# Altium PCB Carrier-Board-Apalis.PcbDoc (part 1 of 5) (continued)
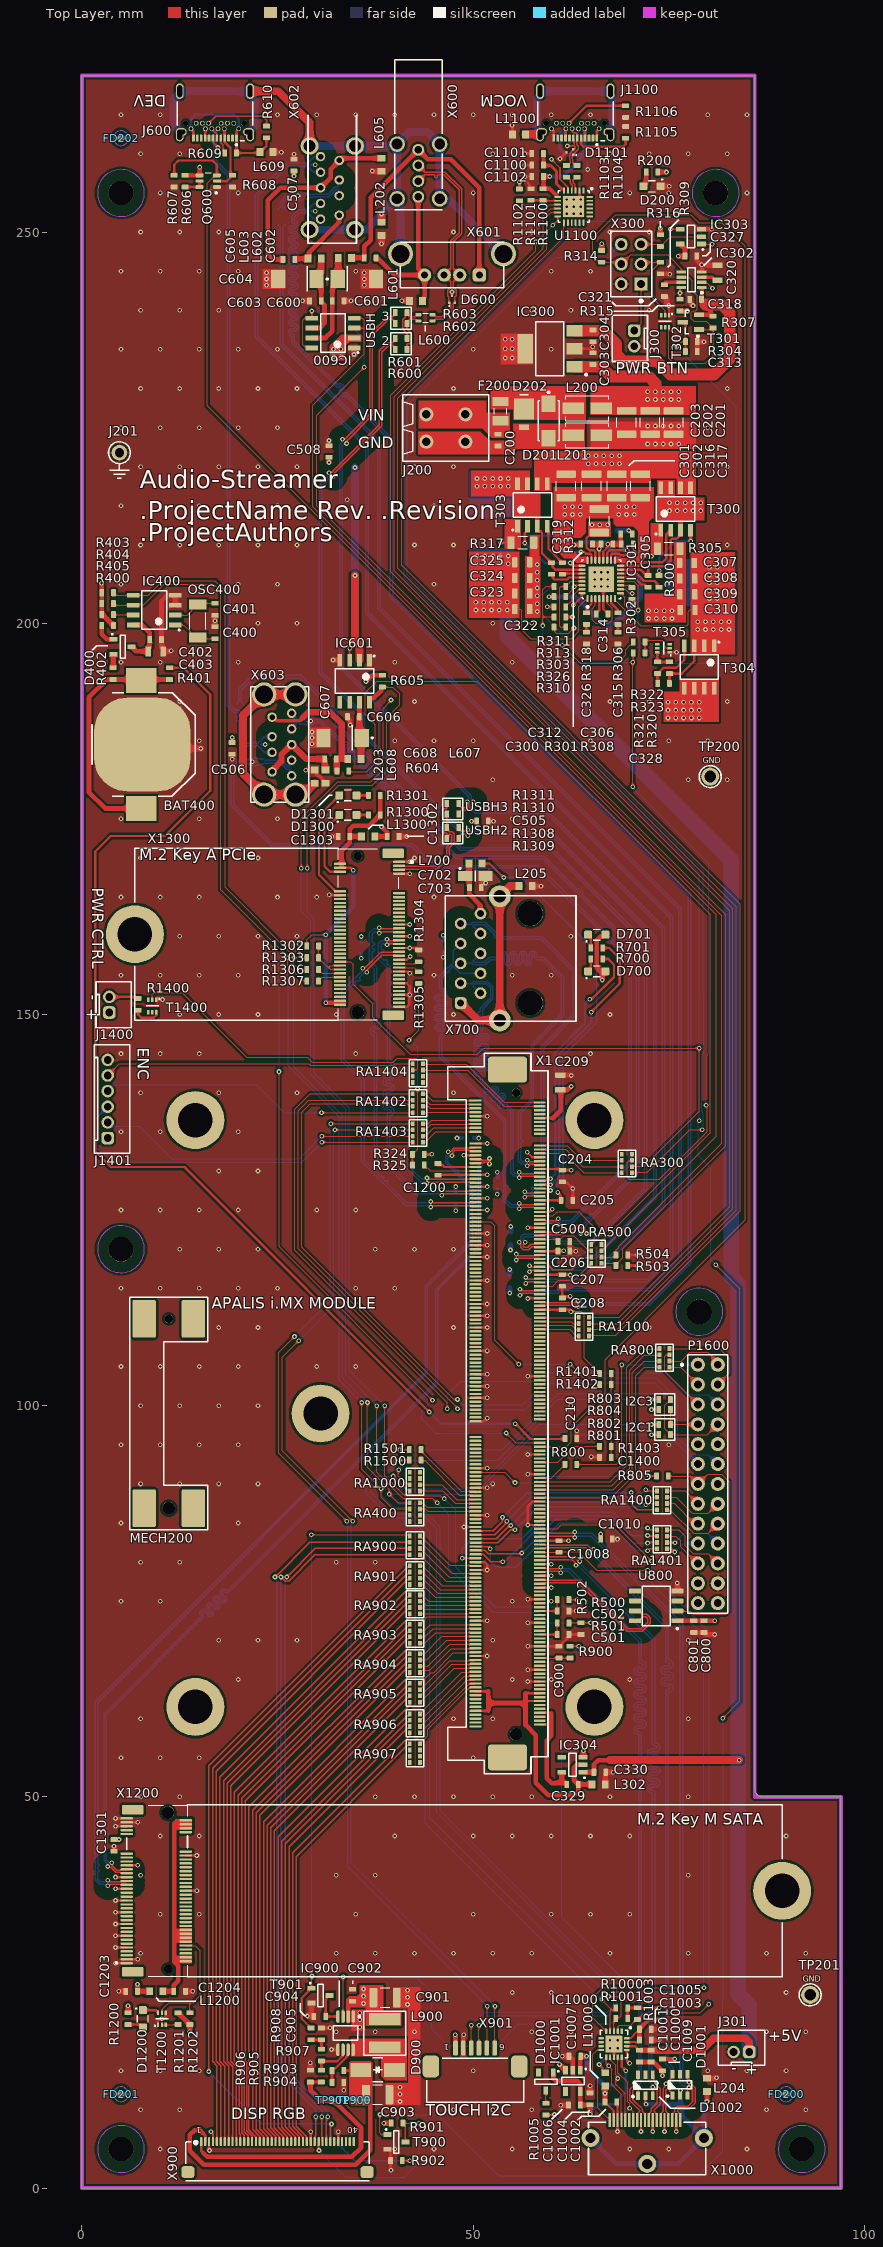
[diagram p0: Top Layer view]
## Components (designator, comment, footprint, x,y, rotation, side; value= is the part's Value field where it differs from the comment)
BAT400 "Keystone-3000" T_Keystone_3000 7.578,184.5 r90 top
C200 "100nF" SMD0603CAP 53.2,223.4 r90 top
C201 "10uF" SMD1210CAP 75.615,225.65 r90 top
C202 "10uF" SMD1210CAP 72.615,225.65 r90 top
C203 "10uF" SMD1210CAP 69.615,225.65 r90 top
C204 "4.7uF" SMD0603CAP 61.4,129.35 r270 top
C205 "4.7uF" SMD0603CAP 62,126.25 r0 top
C206 "4.7uF" SMD0603CAP 61.6,119.75 r0 top
C207 "4.7uF" SMD0603CAP 61.4,116 r270 top
C208 "4.7uF" SMD0603CAP 61.4,113 r90 top
C209 "22uF" SMD0805CAP 61.136,141.3 r90 top
C210 "100nF" SMD0603CAP 62.5,95.8 r180 top
C300 "10uF" SMD0603CAP 64.5,210.1 r0 top
C301 "10uF" SMD1210CAP 61.879,217.55 r90 top
C302 "10uF" SMD1210CAP 65.129,217.55 r90 top
C303 "100nF" SMD0603CAP 65.3,233.832 r270 top
C304 "10uF" SMD0603CAP 65.3,236.732 r90 top
C305 "100nF" SMD0603CAP 72.374,205.35 r270 top
C306 "1uF" SMD0603CAP 69.6,211.4 r180 top
C307 "47uF" SMD0805CAP 77.33,207.7 r0 top
C308 "47uF" SMD0805CAP 77.355,205.7 r0 top
C309 "47uF" SMD0805CAP 77.379,203.7 r0 top
C310 "47uF" SMD0805CAP 77.41,201.7 r0 top
C311 "10uF" SMD0603CAP 68.379,211.1 r270 bottom
C312 "10uF" SMD1210CAP 66.129,213.1 r270 top
C313 "1uF" SMD0603CAP 77.885,234.735 r180 top
C314 "1nF" SMD0603CAP 66.5,201.2 r180 top
C315 "470pF" SMD0603CAP 68.5,198.1 r90 top
C316 "10uF" SMD1210CAP 68.379,217.55 r90 top
C317 "10uF" SMD1210CAP 71.379,217.55 r90 top
C318 "100nF" SMD0603CAP 78.435,241.4 r0 top
C319 "100nF" SMD0603CAP 60,207 r270 top
C320 "330nF" SMD0805CAP 81.235,244.8 r270 top
C321 "470nF" SMD0603CAP 74.435,242.5 r270 top
C322 "47uF" SMD0805CAP 56.279,201.8 r180 top
C323 "47uF" SMD0805CAP 56.279,203.8 r180 top
C324 "47uF" SMD0805CAP 56.279,205.8 r180 top
C325 "47uF" SMD0805CAP 56.279,207.8 r180 top
C326 "680pF" SMD0603CAP 64.5,198.1 r90 top
C327 "100nF" SMD0603CAP 77.835,246.91 r0 top
C328 "10nF" SMD0603CAP 74.339,192.315 r0 top
C329 "2.2uF" SMD0603CAP 62.7,51.6 r180 top
C330 "2.2uF" SMD0603CAP 66.2,53.15 r180 top
C400 "27pF" SMD0603CAP 17.02,198.786 r90 top
C401 "27pF" SMD0603CAP 17.02,201.786 r270 top
C402 "100nF" SMD0603CAP 9.425,197.908 r180 top
C403 "22uF" SMD0805CAP 9.425,196.408 r0 top
C500 "1nF" SMD0603CAP 61.6,121 r180 top
C501 "100pF" SMD0603CAP 61.5,70.75 r180 top
C502 "100pF" SMD0603CAP 61.5,73.75 r180 top
C503 "10nF" SMD0603CAP 54.7,115.9 r90 bottom
C504 "10nF" SMD0603CAP 54.771,121.4 r90 bottom
C505 "10nF" SMD0603CAP 51.2,174.7 r180 top
C506 "10nF" SMD0603CAP 19.2,184 r90 top
C507 "10nF" SMD0603CAP 27.1,258.55 r270 top
C508 "10nF" SMD0603CAP 31.574,221.95 r270 top
C600 "100nF" SMD0603CAP 32.75,241.2 r180 top
C601 "100uF" CAPMP6032X280N 35.15,244 r0 top
C602 "1nF" SMD0603CAP 36.85,246.7 r180 top
C603 "100nF" SMD0603CAP 29.85,241.2 r0 top
C604 "100uF" CAPMP6032X280N 27.55,244 r180 top
C605 "1nF" SMD0603CAP 26.45,246.5 r0 top
C606 "100nF" SMD0603CAP 34.7,188.05 r0 top
C607 "100uF" CAPMP6032X280N 33.321,185.35 r180 top
C608 "1nF" SMD0603CAP 31.771,182.65 r0 top
C700 "10nF" SMD0603CAP 53.1,128.42 r270 bottom
C701 "10nF" SMD0603CAP 46.2,158.725 r90 bottom
C702 "47uF" T_CAPMP3216X180N 50.293,167.7 r0 top
C703 "100nF" SMD0603CAP 50.293,166.2 r180 top
C800 "1nF" SMD0603CAP 79.5,71.75 r270 top
C801 "100nF" SMD0603CAP 78.2,71.75 r270 top
C900 "1nF" SMD0603CAP 61,68.5 r270 top
C901 "10uF" SMD1210CAP 38.75,24.355 r180 top
C902 "100nF" SMD0603CAP 34.6,24.647 r90 top
C903 "10uF" SMD1210CAP 37.8,11.955 r180 top
C904 "100nF 16V" SMD0603CAP 30.4,21.93 r0 top value=100nF
C905 "100nF 16V" SMD0603CAP 30.6,19.705 r270 top value=100nF
C1000 "10uF" SMD0603CAP 72.747,16.861 r90 top
C1001 "100nF" SMD0603CAP 71.247,16.861 r270 top
C1002 "100nF" SMD0603CAP 67.6,10.982 r180 top
C1003 "100nF" SMD0603CAP 72.01,18.925 r180 top
C1004 "100nF" SMD0603CAP 64.95,11.413 r270 top
C1005 "100nF" SMD0603CAP 72.011,20.3 r180 top
C1006 "2.2uF" SMD0603CAP 62.95,10.605 r0 top
C1007 "2.2uF" SMD0603CAP 63,16.851 r0 top
C1008 "1nF" SMD0603CAP 61,82 r270 top
C1009 "10nF" SMD0603CAP 74.2,15.75 r90 top
C1010 "10nF" SMD0603CAP 67.05,82.95 r180 top
C1100 "2.2uF" SMD0603CAP 58.249,258.553 r0 top
C1101 "100nF" SMD0603CAP 58.249,260.026 r0 top
C1102 "2.2uF" SMD0603CAP 58.249,257.098 r0 top
C1200 "1nF" SMD0603CAP 45.5,130.2 r90 top
C1201 "10nF" SMD0603CAP 47.765,126.6 r90 bottom
C1202 "10nF" SMD0603CAP 35.7,158.57 r90 bottom
C1203 "10uF" SMD0603CAP 6.358,25.15 r0 top
C1204 "10uF" SMD0603CAP 12.5,25.15 r180 top
C1300 "10nF" SMD0603CAP 49.338,134.2 r180 bottom
C1301 "10nF" SMD0603CAP 4.1,43.8 r90 top
C1302 "10uF" SMD0603CAP 39.775,172.75 r180 top
C1303 "10uF" SMD0603CAP 33.5,172.75 r0 top
C1400 "100nF" SMD0603CAP 66.9,93.4 r0 top
D200 "green" LED 72.86,255.862 r0 top
D201 "D-Littelfuse-SMAJ30CA-Schottky" T_LITTLEFUSE_SMAJ30CA 59.65,225.868 r270 top
D202 "SS3P3" T_VISHAY_SS3P3 56.5,226.6 r270 top
D400 "BAT54C" SOT95P230X110-3N 5.2,197 r0 top
D600 "TPD2EUSB30DRTR" T_TI_TPD2EUSB30DRTR 47.3,241.4 r90 top
D601 "TPD2EUSB30DRTR" T_TI_TPD2EUSB30DRTR 28.9,258.6 r0 bottom
D602 "TPD2EUSB30DRTR" T_TI_TPD2EUSB30DRTR 28.9,252.65 r0 bottom
D603 "TPD2EUSB30DRTR" T_TI_TPD2EUSB30DRTR 28.543,254.62 r180 bottom
D604 "TPD2EUSB30DRTR" T_TI_TPD2EUSB30DRTR 22.5,184.5 r0 bottom
D605 "TPD2EUSB30DRTR" T_TI_TPD2EUSB30DRTR 22.7,182.3 r180 bottom
D606 "TPD2EUSB30DRTR" T_TI_TPD2EUSB30DRTR 28.3,187.5 r0 bottom
D700 "green" LED 65.8,155.5 r180 top
D701 "green" LED 65.8,160.2 r180 top
D900 "SS14" T_DO-214-AC 37.8,15.105 r180 top
D1000 "BAT54C" SOT95P230X110-3N 59.3,13.615 r270 top
D1001 "RCLAMP0504S" T_SOT95P285X90-6N 76.429,13.2 r90 top
D1002 "RCLAMP0504S" T_SOT95P285X90-6N 72.01,13.15 r90 top
D1100 "TPD2EUSB30DRTR" T_TI_TPD2EUSB30DRTR 64.6,259.4 r270 bottom
D1101 "TPD2EUSB30DRTR" T_TI_TPD2EUSB30DRTR 62.364,260.212 r180 top
D1200 "green" LED 7.8,21.65 r90 top
D1300 "green" LED 34,175.5 r180 top
D1301 "green" LED 34,178 r180 top
F200 "7A" T_Littelfuse_0458 53.5,227.1 r90 top
FD200 "Fiducial" FIDUCIAL 90,12 r90 top
FD201 "Fiducial" FIDUCIAL 5,12 r90 top
FD202 "Fiducial" FIDUCIAL 5,262 r90 top
FD203 "Fiducial" FIDUCIAL 5,262 r90 bottom
FD204 "Fiducial" FIDUCIAL 5,12 r90 bottom
FD205 "Fiducial" FIDUCIAL 90,12 r90 bottom
IC300 "L5150BNTR" T_ON_NCV4264-2ST50T3G 59.8,235.082 r180 top
IC301 "TPS51120" QFN50P500X500X100-33N 66.379,205.6 r90 top
IC302 "LTC2954CTS8-2#TRMPBF" T_LINEAR_LTC2954CTS8-2#PBF 77.935,243.9 r90 top
IC303 "NC7SZ126M5X" SOT95P279X142-5N 77.835,249.41 r180 top
IC304 "NCP511SN33T1G" SOT95P279X142-5N 62.7,54.1 r180 top
IC400 "M41T0M6" SOIC127P600X173-8N 9.25,201.678 r180 top
IC600 "TPS2052BD" SOIC127P600X173-8N 32.086,237.095 r180 top
IC601 "TPS2052BD" SOIC127P600X173-8N 34.85,192.6 r270 top
IC900 "PAM2841SR" T_TSOP65P490X110-8N 33.7,19.805 r270 top
IC1000 "HDMI2C1-6C1" QFN18 69,20.05 r270 top
IC1001 "NCP511SN33T1G" SOT95P279X142-5N 62.75,13.701 r270 top
J200 "1861933" 1861933 49.015,226.7 r270 top
J201 "Solder Pin" SOLDER_PIN 4.8,221.8 r270 top net-tie
J300 "B2B-PH-K-S" B2B-PH-K-S 70.59,237.4 r90 top
J301 "B2B-PH-K-S" B2B-PH-K-S 85.3,17.4 r0 top
J600 "UJ31-CH-G1-SMT-TR" UJ31-CH-G1-SMT-TR 19.75,261.995 r180 top
J1100 "UJ31-CH-G1-SMT-TR" UJ31-CH-G1-SMT-TR 65.809,261.995 r180 top
J1400 "B2B-PH-K-S" B2B-PH-K-S 3.5,150.25 r270 top
J1401 "B6B-PHK-S" B6B-PH-K-S 3.3,134.2 r270 top
L200 "36R@100MHz" T_Laird_35F0121-0SR-10 64.6,227.5 r0 top
L201 "36R@100MHz" T_Laird_35F0121-0SR-10 64.6,224 r0 top
L202 "33R@100MHz" INDC1608X95N 38.3,250.4 r90 top
L203 "33R@100MHz" INDC1608X95N 29.75,180.4 r270 top
L204 "33R@100MHz" INDC1608X95N 79.9,13.2 r270 top
L205 "33R@100MHz" INDC1608X95N 56.714,166.4 r180 top
L300 "4.7uH" T_INDM110100 77.115,209.775 r0 bottom
L301 "8.2uH" T_INDM120120X80N 52.429,210.1 r0 bottom
L302 "220R@100MHz" INDC1608X95N 66.04,51.6 r0 top
L600 "90R@100MHz" T_Murata_DLW21SN900SQ2 43.9,239.04 r180 top
L601 "220R@100MHz" INDC1608X95N 42.7,241.2 r0 top
L602 "220R@100MHz" INDC1608X95N 33.61,246.7 r0 top
L603 "220R@100MHz" INDC1608X95N 29.75,246.6 r180 top
L604 "90R@100MHz" T_Murata_DLW21SN900SQ2 25.5,251.9 r90 bottom
L605 "220R@100MHz" INDC1608X95N 38.3,258.6 r90 top
L606 "90R@100MHz" T_Murata_DLW21SN900SQ2 20.2,188.7 r270 bottom
L607 "220R@100MHz" INDC1608X95N 34.821,182.65 r180 top
L608 "220R@100MHz" INDC1608X95N 31.15,180.4 r90 top
L609 "220R@100MHz" INDC1608X95N 23.6,260.243 r180 top
L700 "220R@100MHz" INDC1608X95N 50.3,169.278 r180 top
L900 "22uH" T_INDM5050 38.7,19.805 r270 top
L1000 "120R@100MHz" INDC1608X95N 66.88,13.9 r270 top
L1100 "220R@100MHz" INDC1608X95N 55.859,262.445 r0 top
L1200 "33R@100MHz" INDC1608X95N 9.5,25.15 r0 top
L1300 "33R@100MHz" INDC1608X95N 36.58,172.75 r180 top
MECH200 "Mini-PCIe Latch" T_Molex_48099-5701 11.1,99 r90 top
OSC400 "CC4V-T1A" T_MC_CC4V-T1A 14.82,200.286 r270 top value=32.768KHz
P1600 "TSW-113-6-L-D" HEADER_2x13P_VERTICAL 80,90 r90 top
Q600 "SQ1539EH-T1_GE3" SOT-363-6 16.15,256.5 r90 top
R200 "560R" SMD0603RES 72.86,257.662 r180 top
R300 "4.7R" SMD0603RES 73.774,205.35 r90 top
R301 "4.7R" SMD0603RES 67.1,210.1 r180 top
R302 "100K" SMD0603RES 70.3,203.81 r270 top value=100KR
R303 "0R" SMD0603RES 61.1,202.1 r0 top
R304 "10K" SMD0603RES 77.885,235.985 r180 top value=10KR
R305 "12mR" SMD1206RES 75,209.54 r0 top
R306 "24K" SMD0603RES 68.5,200.6 r90 top value=24KR
R307 "100K" SMD0603RES 80.685,238.484 r90 top value=100KR
R308 "3.3K" SMD0603RES 69.7,210.1 r180 top value=3.3KR
R309 "100K" SMD0603RES 73.935,245.4 r90 top value=100KR
R310 "0R" SMD0603RES 61.1,199.5 r0 top
R311 "0R" SMD0603RES 61.1,204.7 r0 top
R312 "4.7R" SMD0603RES 61.4,207 r90 top
R313 "100K" SMD0603RES 61.1,203.4 r180 top value=100KR
R314 "10K" SMD0603RES 66.435,246.9 r270 top value=10KR
R315 "10K" SMD0603RES 76.435,240.65 r90 top value=10KR
R316 "100K" SMD0603RES 73.935,248.9 r90 top value=100KR
R317 "15mR" SMD1206RES 56.3,210.3 r0 top
R318 "24K" SMD0603RES 64.5,200.6 r90 top value=24KR
R319 "3.6K" SMD0603RES 63.879,211.1 r270 bottom value=3.6KR
R320 "100K" SMD0603RES 75.089,194.315 r90 top value=100KR
R321 "100K" SMD0603RES 73.589,194.315 r90 top value=100KR
R322 "0R" SMD0603RES 71.221,197.61 r180 top
R323 "0R" SMD0603RES 71.221,196.21 r0 top
R324 "100K" SMD0603RES 43,132.121 r0 top value=100KR
R325 "22R" SMD0603RES 43,130.75 r180 top
R326 "100K" SMD0603RES 61.1,200.8 r180 top value=100KR
R400 "470R" SMD0603RES 3.3,199.7 r0 top
R401 "10R" SMD0603RES 11.2,193.55 r90 top
R402 "10R" SMD0603RES 4,193.565 r90 top
R403 "1.8K" SMD0603RES 3.3,203.9 r180 top value=1.8KR
R404 "1.8K" SMD0603RES 3.3,202.5 r180 top value=1.8KR
R405 "100K" SMD0603RES 3.3,201.1 r180 top value=100KR
R500 "22R" SMD0603RES 61.5,75.2 r0 top
R501 "22R" SMD0603RES 61.5,72.2 r0 top
R502 "100K" SMD0603RES 63.8,71.5 r90 top value=100KR
R503 "100K" SMD0603RES 69,117.9 r180 top value=100KR
R504 "100K" SMD0603RES 69,119.25 r180 top value=100KR
R600 "0R" SMD0603RES 40.8,235 r0 top
R601 "0R" SMD0603RES 40.8,236.4 r0 top
R602 "0R" SMD0603RES 40.8,238.3 r0 top
R603 "0R" SMD0603RES 40.8,239.7 r0 top
R604 "0R" SMD0603RES 33.35,181.1 r180 top
R605 "100K" SMD0603RES 38.4,192.6 r90 top value=100KR
R606 "10kΩ" SMD0603RES 13.2,256.5 r90 top
R607 "10kΩ" SMD0603RES 11.8,256.5 r90 top
R608 "10kΩ" SMD0603RES 19.25,256.5 r90 top
R609 "5.11kΩ" SMD0603RES 19,260.1 r180 top
R610 "5.11kΩ" SMD0603RES 23.6,262.795 r90 top
R700 "560R" SMD0603RES 65.8,157.1 r180 top
R701 "560R" SMD0603RES 65.8,158.5 r180 top
R800 "22R" SMD0603RES 62.5,92.5 r0 top
R801 "0Ω" SMD0603RES 74.485,96.3 r180 top
R802 "0Ω" SMD0603RES 74.485,97.6 r180 top
R803 "0Ω" SMD0603RES 74.47,100.8 r180 top
R804 "0Ω" SMD0603RES 74.47,99.5 r180 top
R805 "DNP" SMD0603RES 74.2,91 r180 top
R900 "22R" SMD0603RES 62.4,68.5 r90 top
R901 "10K" SMD0603RES 40.3,8.3 r180 top
R902 "100K" SMD0603RES 40.2,3.5 r0 top value=100KR
R903 "910K" SMD0603RES 32.725,15.005 r0 top value=910KR
R904 "59K" SMD0603RES 32.725,13.505 r180 top value=49KR
R905 "5K" SMD0603RES 30.6,14.305 r270 top
R906 "3.3R" SMD0603RES 29.2,14.305 r270 top
R907 "90K" SMD0603RES 30.6,17.005 r270 top
R908 "10K" SMD0603RES 29.3,19.705 r270 top
R1000 "10K" SMD0603RES 68.999,23.045 r0 top value=10KR
R1001 "10K" SMD0603RES 68.999,21.695 r0 top value=10KR
R1002 "1.8K" SMD0603RES 68.3,13.9 r270 bottom value=1.8KR
R1003 "470K" SMD0603RES 71,22.305 r90 top value=470KR
R1004 "1.8K" SMD0603RES 66.95,13.9 r270 bottom value=1.8KR
R1005 "24K" SMD0603RES 59.3,10.093 r90 top value=24KR
R1100 "24kΩ" SMD0603RES 58.918,254.8 r90 top
R1101 "47kΩ" SMD0603RES 57.418,254.8 r270 top
R1102 "10kΩ" SMD0603RES 55.918,254.75 r90 top
R1103 "22R" SMD0603RES 61.924,257.76 r90 top
R1104 "22R" SMD0603RES 63.283,257.76 r90 top
R1105 "5.11kΩ" SMD0603RES 69.5,262.745 r270 top
R1106 "5.11kΩ" SMD0603RES 69.5,265.4 r90 top
R1200 "560R" SMD0603RES 5.895,21.65 r270 top
R1201 "470K" SMD0603RES 12.3,21.65 r270 top value=470KR
R1202 "100K" SMD0603RES 13.8,21.65 r270 top value=100KR
R1300 "560R" SMD0603RES 37.385,175.5 r180 top
R1301 "560R" SMD0603RES 37.385,178 r180 top
R1302 "47K" SMD0603RES 29.5,158.75 r180 top value=47KR
R1303 "0R" SMD0603RES 29.5,157.25 r180 top
R1304 "0R" SMD0603RES 43.05,157.5 r270 top
R1305 "0R" SMD0603RES 43.05,154.7 r90 top
R1306 "0R" SMD0603RES 29.5,155.75 r0 top
R1307 "0R" SMD0603RES 29.5,154.25 r0 top
R1308 "0R" SMD0603RES 47.4,173.9 r180 top
R1309 "0R" SMD0603RES 47.4,172.5 r180 top
R1310 "0R" SMD0603RES 47.4,175.6 r180 top
R1311 "0R" SMD0603RES 47.4,176.95 r180 top
R1400 "220Ω" SMD0603RES 7.192,151.3 r90 top
R1401 "100K" SMD0603RES 66.9,104.1 r0 top value=100KR
R1402 "0R" SMD0603RES 66.9,102.7 r180 top
R1403 "0R" SMD0603RES 66.9,94.8 r0 top
R1500 "22R" SMD0603RES 42.6,93.04 r180 top
R1501 "22R" SMD0603RES 42.6,94.37 r180 top
RA300 "22R" T_Resistor_Array_X4 69,132.151 r0 top
RA400 "22R" T_Resistor_Array_X4 43.2,85.2 r180 top
RA500 "22R" T_Resistor_Array_X4 65.1,120.6 r0 top
RA800 "22R" T_Resistor_Array_X4 73.815,107.3 r0 top
RA900 "22R" T_Resistor_Array_X4 43.2,80.95 r180 top
RA901 "22R" T_Resistor_Array_X4 43.2,77.15 r180 top
RA902 "22R" T_Resistor_Array_X4 43.2,73.4 r180 top
RA903 "22R" T_Resistor_Array_X4 43.2,69.65 r180 top
RA904 "22R" T_Resistor_Array_X4 43.2,65.9 r180 top
RA905 "22R" T_Resistor_Array_X4 43.2,62.109 r180 top
RA906 "22R" T_Resistor_Array_X4 43.2,58.2 r180 top
RA907 "22R" T_Resistor_Array_X4 43.2,54.4 r180 top
RA1000 "22R" T_Resistor_Array_X4 43.2,89.1 r180 top
RA1100 "22R" T_Resistor_Array_X4 63.5,111.3 r0 top
RA1400 "22R" T_Resistor_Array_X4 73.5,89.1 r0 top
RA1401 "22R" T_Resistor_Array_X4 73.5,84.121 r0 top
RA1402 "22R" T_Resistor_Array_X4 43.58,137.45 r180 top
RA1403 "22R" T_Resistor_Array_X4 43.58,133.65 r180 top
RA1404 "22R" T_Resistor_Array_X4 42.28,143.7 r0 top
T300 "FDS6910DKR" SOIC127P600X173-8N 75.879,214.6 r90 top
T301 "IRLML6401PbF" SOT95P237X112-3N 77.835,238.484 r180 top
T302 "T-Vishay-SI-1024X-N" SOTFL50P160X60-6N 74.535,238.6 r270 top
T303 "FDS6910DKR" SOIC127P600X173-8N 57.579,215.1 r90 top
T304 "DMP2022LSS-13" SOIC127P600X173-8N 78.9,194.4 r270 top
T305 "T-Vishay-SI-1024X-N" SOTFL50P160X60-6N 74.339,196.815 r180 top
T900 "SI2312CDS" T_SOT95P230X110-3N 40.2,5.9 r0 top
T901 "SI2312CDS" T_SOT95P230X110-3N 30.5,24.605 r0 top
T1200 "T-Vishay-SI-1024X-N" SOTFL50P160X60-6N 10.23,21.65 r90 top
T1400 "T-Vishay-SI-1024X-N" SOTFL50P160X60-6N 9,151.1 r270 top
TP200 "5011" "T_TP-THT - EYE" 80.3,180.4 r0 top
TP201 "5011" "T_TP-THT - EYE" 93.075,24.7 r0 top
TP900 "Testpoint" TP 34.8,11.205 r180 top
TP901 "Testpoint" TP 32.05,11.205 r180 top
U800 "MAX9110" SOIC8 73.4,74.405 r180 top
U1100 "CP2105" QFN24 62.859,253.25 r270 top
X1 "CON-JAE-MM70-314-310B1-314-0.5mm" T_JAE_MM70-314-310B1 54.4,99 r270 top
X300 "TSW-103-01-G-D" T_Samtec_SSW-103-01-G-D 71.475,243.36 r90 top
X600 "CON-Fci-73725-0110BLF" T_FCI_73725-0110BLF 43,272 r180 top
X601 "CON-TE-1734366-3" 1734366-3 47.3,245.8 r180 top
X602 "GSB4116341HR" GSB4116341HR 32,255.65 r270 top
X603 "GSB412137CHR" GSB412137CHR 25.3,184.5 r90 top
X700 "5-2301995-1" 5-2301995-4 57.3,157.167 r90 top
X900 "XF2M-4015-1A" T_Omron_XF2M-4015-1A-MIRROR 25,4 r180 top
X901 "52207-0633" T_MOLEX_52207-0633 50.25,17.9 r180 top
X1000 "0476591001" 0476591001 72.25,6.4 r0 top
X1200 "1-2199119-5" 1-2199119-5-Key-M-2280 9.5,38 r90 top
X1300 "2199119-8" 2199119-8-KEY-A-2230 36.65,160.25 r270 top

## Footprints (in the part's own frame and the unit in brackets; to place one, negate y for a bottom-side part, rotate by r counter-clockwise, add the part's x,y. Pads: shape width x height; smd on the part's side, far side on the other; paste and mask are expansions set on the pad)
1-2199119-5-Key-M-2280 [mm] "M.2 M Key"
  rrect25% 1.2x2.75 smd: 0(-10.35,3) 0(10.35,3)
  rrect50% 0.3x1.55 smd: 1(-9.25,3.775) 2(-9,-3.775) 3(-8.75,3.775) 4(-8.5,-3.775) 5(-8.25,3.775) 6(-8,-3.775) 7(-7.75,3.775) 8(-7.5,-3.775) 9(-7.25,3.775) 10(-7,-3.775) 11(-6.75,3.775) 12(-6.5,-3.775) 13(-6.25,3.775) 14(-6,-3.775) 15(-5.75,3.775) 16(-5.5,-3.775) 17(-5.25,3.775) 18(-5,-3.775) 19(-4.75,3.775) 20(-4.5,-3.775) 21(-4.25,3.775) 22(-4,-3.775) 23(-3.75,3.775) 24(-3.5,-3.775) 25(-3.25,3.775) 26(-3,-3.775) 27(-2.75,3.775) 28(-2.5,-3.775) 29(-2.25,3.775) 30(-2,-3.775) 31(-1.75,3.775) 32(-1.5,-3.775) 33(-1.25,3.775) 34(-1,-3.775) 35(-0.75,3.775) 36(-0.5,-3.775) 37(-0.25,3.775) 38(0,-3.775) 39(0.25,3.775) 40(0.5,-3.775) 41(0.75,3.775) 42(1,-3.775) 43(1.25,3.775) 44(1.5,-3.775) 45(1.75,3.775) 46(2,-3.775) 47(2.25,3.775) 48(2.5,-3.775) 49(2.75,3.775) 50(3,-3.775) 51(3.25,3.775) 52(3.5,-3.775) 53(3.75,3.775) 54(4,-3.775) 55(4.25,3.775) 56(4.5,-3.775) 57(4.75,3.775) 58(5,-3.775) 67(7.25,3.775) 68(7.5,-3.775) 69(7.75,3.775) 70(8,-3.775) 71(8.25,3.775) 72(8.5,-3.775) 73(8.75,3.775) 74(9,-3.775) 75(9.25,3.775)
  round 1.1 hole 1.1 unplated: ""(-10,-1.5)
  round 7.4 / inner round 0 / far side round 0 hole 4.4 unplated: ""(0,-80)
  round 1.6 hole 1.6 unplated: ""(10,-1.5)
  silkscreen extent -11,-80 11,5.17, body extent -10.95,-83 10.95,4.35, height 3.09
5-2301995-4 [mm] "Ethernet Connector vertiacal"
  rrect50% 1.5x1.5 hole 0.9: P1(-5.715,8.89)
  round 1.5 hole 0.9: P2(-4.445,6.35) P3(-3.175,8.89) P4(-1.905,6.35) P5(-0.635,8.89) P6(0.635,6.35) P7(1.905,8.89) P8(3.175,6.35) P9(4.445,8.89) P10(5.715,6.35)
  round 2.8 hole 1.6: S1(-7.925,3.89) S2(7.925,3.89)
  round 3.2 hole 3.2 unplated: ""(-5.715,0) ""(5.715,0)
  silkscreen extent -8.03,-5.85 8.03,10.85, body extent -8.03,-5.85 8.03,11.1, height 17
1734366-3 [mm] "USB Header Vertical"
  rrect50% 1.7x1.7 hole 0.9: 1(-3.5,1.3)
  round 1.7 hole 0.9: 2(-1,1.3) 3(1,1.3) 4(3.5,1.3)
  round 3.2 hole 2.3: S1(-6.57,-1.41) S2(6.57,-1.41)
  silkscreen extent -6.6,-2.9 6.6,2.9, body extent -7.9,-3.56 7.9,3.56, height 15.03
1861933 [mm] "Phoenix Contacts 2 Pol - 3.5mm"
  round 1.8 hole 1.1: 1(0,0) 1(0,-5) 2(3.5,0) 2(3.5,-5)
  silkscreen extent -2.5,-8 6,3, body extent -2.5,-8 6,3, height 8
2199119-8-KEY-A-2230 [mm] "M-2 Key A"
  rrect25% 1.2x2.75 smd: 0(-10.35,3.125) 0(10.35,3.125)
  rrect50% 0.3x1.55 smd: 1(-9.25,3.9) 2(-9,-3.65) 3(-8.75,3.9) 4(-8.5,-3.65) 5(-8.25,3.9) 6(-8,-3.65) 7(-7.75,3.9) 16(-5.5,-3.65) 17(-5.25,3.9) 18(-5,-3.65) 19(-4.75,3.9) 20(-4.5,-3.65) 21(-4.25,3.9) 22(-4,-3.65) 23(-3.75,3.9) 24(-3.5,-3.65) 25(-3.25,3.9) 26(-3,-3.65) 27(-2.75,3.9) 28(-2.5,-3.65) 29(-2.25,3.9) 30(-2,-3.65) 31(-1.75,3.9) 32(-1.5,-3.65) 33(-1.25,3.9) 34(-1,-3.65) 35(-0.75,3.9) 36(-0.5,-3.65) 37(-0.25,3.9) 38(0,-3.65) 39(0.25,3.9) 40(0.5,-3.65) 41(0.75,3.9) 42(1,-3.65) 43(1.25,3.9) 44(1.5,-3.65) 45(1.75,3.9) 46(2,-3.65) 47(2.25,3.9) 48(2.5,-3.65) 49(2.75,3.9) 50(3,-3.65) 51(3.25,3.9) 52(3.5,-3.65) 53(3.75,3.9) 54(4,-3.65) 55(4.25,3.9) 56(4.5,-3.65) 57(4.75,3.9) 58(5,-3.65) 59(5.25,3.9) 60(5.5,-3.65) 61(5.75,3.9) 62(6,-3.65) 63(6.25,3.9) 64(6.5,-3.65) 65(6.75,3.9) 66(7,-3.65) 67(7.25,3.9) 68(7.5,-3.65) 69(7.75,3.9) 70(8,-3.65) 71(8.25,3.9) 72(8.5,-3.65) 73(8.75,3.9) 74(9,-3.65) 75(9.25,3.9)
  round 1.1 hole 1.1 unplated: ""(-10,-1.375)
  round 7.4 / inner round 0 / far side round 0 hole 4.4 unplated: ""(0,-29.875)
  round 1.6 hole 1.6 unplated: ""(10,-1.375)
  silkscreen extent -11,-29.88 11,5.65, body extent -10.95,-32.87 10.95,4.5, height 3.09
0476591001 [mm] "HDMI Vertical"
  rrect50% 0.3x1.8 smd: 1(4.21,2.3) 2(3.71,2.3) 3(3.21,2.3) 4(2.71,2.3) 5(2.21,2.3) 6(1.71,2.3) 7(1.21,2.3) 8(0.71,2.3) 9(0.21,2.3) 10(-0.29,2.3) 11(-0.79,2.3) 12(-1.29,2.3) 13(-1.79,2.3) 14(-2.29,2.3) 15(-2.79,2.3) 16(-3.29,2.3) 17(-3.79,2.3) 18(-4.29,2.3) 19(-4.79,2.3)
  round 2.3 hole 1.3: S1(-7.25,0) S2(0,-3.3) S3(7.25,0)
  silkscreen extent -7.5,-4.7 7.5,2, body extent -8.75,-4.73 8.75,2.82, height 9.51
B2B-PH-K-S [mm] "JST PH plug"
  rrect50% 1.6x1.6 hole 1: 1(0,0)
  round 1.6 hole 1: 2(-2,0)
  silkscreen extent -3.95,-1.7 1.95,2.8, body extent -3.95,-1.7 1.95,2.8, height 6
B6B-PH-K-S [mm] "JST PH plug"
  rrect50% 1.6x1.6 hole 1: 1(0,0)
  round 1.6 hole 1: 2(-2,0) 3(-4,0) 4(-6,0) 5(-8,0) 6(-10,0)
  silkscreen extent -11.95,-1.7 1.95,2.8, body extent -11.95,-1.7 1.95,2.8, height 6
CAPMP6032X280N [mm] "Cap Polarized 6032"
  rect 1.8x2.3 smd: 1(-2.45,0) 2(2.45,0)
  silkscreen extent -3.86,-1.6 -1.25,1.6, body extent -3.15,-1.75 3.15,1.75, height 2.8
FIDUCIAL [mm]
  round 1 smd paste-1 mask+0.5: ""(0,0)
  Keep-Out Layer circle w0.1: c0,0 r0.95
GSB412137CHR [mm] "USB 3.1 vertical"
  round 1.208 hole 0.7: 1(3.5,1) 2(1,1) 3(-1,1) 4(-3.5,1) 5(-4,-1.5) 6(-2,-1.5) 7(0,-1.5) 8(2,-1.5) 9(4,-1.5)
  round 3.1 hole 2.3: S1(-6.4,2) S2(-6.4,-2) S3(6.4,-2) S4(6.4,2)
  silkscreen extent -7.4,-3.7 7.4,3.7, body extent -7.4,-3.7 7.4,3.7, height 14.48
GSB4116341HR [mm] "USB 3.1 side"
  round 1.208 hole 0.7: 1(3.5,0.9) 2(1,0.9) 3(-1,0.9) 4(-3.5,0.9) 5(-4,-1.5) 6(-2,-1.5) 7(0,-1.5) 8(2,-1.5) 9(4,-1.5)
  oval 2.2x2.3 hole 1.5: S1(-5.35,2.9) S2(-5.35,-2.9) S3(5.35,-2.9) S4(5.35,2.9)
  silkscreen extent -9.3,-3.1 7.1,3.1, body extent -17.1,-3.75 7.1,3.75, height 14.6
HEADER_2x13P_VERTICAL [mm] "HEADER 2x13P VERTICAL"
  round 1.8 hole 1: 1(15.24,1.27) 2(15.24,-1.27) 3(12.7,1.27) 4(12.7,-1.27) 5(10.16,1.27) 6(10.16,-1.27) 7(7.62,1.27) 8(7.62,-1.27) 9(5.08,1.27) 10(5.08,-1.27) 11(2.54,1.27) 12(2.54,-1.27) 13(0,1.27) 14(0,-1.27) 15(-2.54,1.27) 16(-2.54,-1.27) 17(-5.08,1.27) 18(-5.08,-1.27) 19(-7.62,1.27) 20(-7.62,-1.27) 21(-10.16,1.27) 22(-10.16,-1.27) 23(-12.7,1.27) 24(-12.7,-1.27) 25(-15.24,1.27) 26(-15.24,-1.27)
  silkscreen extent -16.51,-2.54 16.51,3.42, body extent -16.51,-2.54 16.51,2.54, height 5.21
INDC1608X95N [mm]
  rect 0.87x1 smd: 1(-0.84,0) 2(0.84,0)
  body extent -0.87,-0.48 0.87,0.48, height 0.6
LED [mm]
  rrect25% 1x1 smd: A(-1.1,0) C(1.1,0)
  silkscreen extent -0.45,-0.7 1.35,0.9, body extent -1.15,-0.7 1.15,0.7, height 1.2
QFN18 [mm]
  rrect50% 0.7x0.3 smd: 1(0,0) 2(0,-0.5) 3(0,-1) 4(0,-1.5) 5(0,-2) 10(3.3,-2) 11(3.3,-1.5) 12(3.3,-1) 13(3.3,-0.5) 14(3.3,0)
  rrect50% 0.3x0.7 smd: 6(0.9,-2.65) 7(1.4,-2.65) 8(1.9,-2.65) 9(2.4,-2.65) 15(2.4,0.65) 16(1.9,0.65) 17(1.4,0.65) 18(0.9,0.65)
  rrect10% 2.2x2.2 smd: P(1.65,-1)
  silkscreen extent -0.55,-2.75 3.4,1.2, body extent -0.1,-2.75 3.4,0.75, height 0.55
QFN24 [mm]
  rrect50% 0.8x0.25 smd: 1(-2.05,1.25) 2(-2.05,0.75) 3(-2.05,0.25) 4(-2.05,-0.25) 5(-2.05,-0.75) 6(-2.05,-1.25) 13(2.05,-1.25) 14(2.05,-0.75) 15(2.05,-0.25) 16(2.05,0.25) 17(2.05,0.75) 18(2.05,1.25)
  rrect50% 0.25x0.8 smd: 7(-1.25,-2.05) 8(-0.75,-2.05) 9(-0.25,-2.05) 10(0.25,-2.05) 11(0.75,-2.05) 12(1.25,-2.05) 19(1.25,2.05) 20(0.75,2.05) 21(0.25,2.05) 22(-0.25,2.05) 23(-0.75,2.05) 24(-1.25,2.05)
  rect 2.68x2.68 smd: 25(0,0)
  silkscreen extent -2.4,-2 2,2.4, body extent -2,-2 2,2, height 0.8
QFN50P500X500X100-33N [mm]
  oval 0.9x0.3 smd: 1(-2.45,1.75) 2(-2.45,1.25) 3(-2.45,0.75) 4(-2.45,0.25) 5(-2.45,-0.25) 6(-2.45,-0.75) 7(-2.45,-1.25) 8(-2.45,-1.75) 17(2.45,-1.75) 18(2.45,-1.25) 19(2.45,-0.75) 20(2.45,-0.25) 21(2.45,0.25) 22(2.45,0.75) 23(2.45,1.25) 24(2.45,1.75)
  oval 0.3x0.9 smd: 9(-1.75,-2.45) 10(-1.25,-2.45) 11(-0.75,-2.45) 12(-0.25,-2.45) 13(0.25,-2.45) 14(0.75,-2.45) 15(1.25,-2.45) 16(1.75,-2.45) 25(1.75,2.45) 26(1.25,2.45) 27(0.75,2.45) 28(0.25,2.45) 29(-0.25,2.45) 30(-0.75,2.45) 31(-1.25,2.45) 32(-1.75,2.45)
  rect 3.25x3.25 smd paste-0.595: 33(0,0)
  silkscreen extent -3.62,-2.5 2.5,2.5, body extent -2.58,-2.58 2.58,2.58, height 1
SMD0603CAP [mm]
  rrect25% 0.6x0.9 smd: 1(-0.75,0) 2(0.75,0)
  body extent -0.75,-0.4 0.75,0.4, height 0.45
SMD0603RES [mm]
  rrect25% 0.6x0.9 smd: 1(-0.75,0) 2(0.75,0)
  body extent -0.75,-0.4 0.75,0.4, height 0.45
SMD0805CAP [mm]
  rrect25% 0.7x1.3 smd: 1(-0.95,0) 2(0.95,0)
  body extent -1,-0.6 1,0.6, height 0.9
SMD1206RES [mm]
  rrect25% 0.9x1.6 smd: 1(-1.45,0) 2(1.45,0)
  silkscreen extent -0.6,-0.8 0.6,0.8, body extent -1.6,-0.8 1.6,0.8, height 0.55
SMD1210CAP [mm]
  rrect25% 1x2.5 smd: 1(-1.5,0) 2(1.5,0)
  silkscreen extent -0.6,-1.25 0.6,1.25, body extent -1.6,-1.25 1.6,1.25, height 1.5
SOIC8 [mm] "SOIC-8"
  rrect25% 1.55x0.6 smd: 1(-2.7,1.905) 2(-2.7,0.635) 3(-2.7,-0.635) 4(-2.7,-1.905) 5(2.7,-1.905) 6(2.7,-0.635) 7(2.7,0.635) 8(2.7,1.905)
  silkscreen extent -2.79,-2.54 1.78,3, body extent -3.1,-2.5 3.1,2.5, height 1.76
SOIC127P600X173-8N [mm]
  rect 1.6x0.6 smd: 1(-2.7,1.905) 2(-2.7,0.635) 3(-2.7,-0.635) 4(-2.7,-1.905) 5(2.7,-1.905) 6(2.7,-0.635) 7(2.7,0.635) 8(2.7,1.905)
  silkscreen extent -3.29,-2.45 1.58,2.61, body extent -2,-2.47 2,2.47, height 1.75
SOLDER_PIN [mm] "Solder Pin"
  round 2 hole 1.2: 1(0,0)
  silkscreen extent -1.4,-1.4 1.4,1.4
SOT95P230X110-3N [mm]
  rect 1x0.6 smd: 1(-1.15,0.95) 2(-1.15,-0.95) 3(1.15,0)
  silkscreen extent -1.4,-1.45 0.33,1.67, body extent -0.7,-1.5 0.7,1.5, height 1.12
SOT95P237X112-3N [mm] "SOT23, 3-Leads, Body 3.0x2.6mm (max), Pitch 0.95mm, IPC Medium Density"
  rect 1.3x0.6 smd: 1(-1.05,0.95) 2(-1.05,-0.95) 3(1.05,0)
  silkscreen extent -1.03,-1.5 0.7,1.92, body extent -0.7,-1.52 0.7,1.52, height 1.12
SOT95P279X142-5N [mm]
  rect 1.1x0.6 smd: 1(-1.35,0.95) 2(-1.35,0) 3(-1.35,-0.95) 4(1.35,-0.95) 5(1.35,0.95)
  silkscreen extent -1.61,-1.45 0.48,1.73, body extent -0.9,-1.52 0.9,1.52, height 1.1
SOT-363-6 [mm] "SOT-363-6"
  rrect50% 0.5x1 smd: 1(-0.75,-1.1) 3(0.75,-1.1) 4(0.75,1.1) 6(-0.75,1.1)
  rrect50% 0.4x1 smd: 2(0,-1.1) 5(0,1.1)
  silkscreen extent -1.6,-1.1 1.1,0.4, body extent -1.1,-1.2 1.1,1.2, height 1.1
SOTFL50P160X60-6N [mm]
  rect 0.57x0.3 smd: 1(-0.79,0.5) 2(-0.79,0) 3(-0.79,-0.5) 4(0.79,-0.5) 5(0.79,0) 6(0.79,0.5)
  silkscreen extent -0.99,-0.8 0,0.97, body extent -0.65,-0.85 0.65,0.85, height 0.6
T_CAPMP3216X180N [mm]
  rect 1.8x1.25 smd: 1(-1.3,0) 2(1.3,0)
  silkscreen extent -2,-0.7 0,1.02, body extent -1.6,-0.8 1.6,0.8, height 1.6
T_DO-214-AC [mm] "Schottky Diode"
  rect 2.65x1.75 smd: 1(2.15,0) 2(-2.15,0)
  silkscreen extent -0.64,-1.52 0.64,1.52, body extent -2.74,-1.4 2.74,1.4, height 1.14
T_FCI_73725-0110BLF [mm] "USB Type A Connector Vertical"
  round 1.5 hole 0.95: 1(0,11.49) 2(0,13.49) 3(0,15.49) 4(0,17.49)
  round 2 hole 1.37: S1(2.72,10.76) S2(2.72,17.76) S3(-2.72,17.76) S4(-2.72,10.76)
  silkscreen extent -3.05,0 3.05,19.15, body extent -3.54,-0.76 3.58,18.5, height 14.57
T_INDM5050 [mm] "Shieled Inductor 5mm X 5mm X 4mm"
  rect 1.5x4 smd: 1(-1.8,0) 2(1.8,0)
  silkscreen extent -2.79,-2.67 2.79,2.67, body extent -2.49,-2.5 2.5,2.5, height 4
T_INDM110100 [mm] "Inductor shielded, 11mm x 10mm (Bourns, SRP1038A; Vishay, IHLP4040DZ-8A)"
  rect 4.86x3.8 smd: 1(0,-4.6) 2(0,4.6)
  silkscreen extent -5.52,-5.52 5.52,5.52, body extent -5,-5.2 5,5.2, height 3.75
T_INDM120120X80N [mm]
  rect 5.4x2.9 smd: 1(0,-4.95) 2(0,4.95)
  silkscreen extent -6.2,-6.2 6.2,6.2, body extent -6,-6 6,6, height 6
T_JAE_MM70-314-310B1 [mm] "MXM 3.0 Connector"
  rrect50% 0.3x1.5 smd: 1(-40,-4.1) 2(-39.75,4.1) 3(-39.5,-4.1) 4(-39.25,4.1) 5(-39,-4.1) 6(-38.75,4.1) 7(-38.5,-4.1) 8(-38.25,4.1) 9(-38,-4.1) 10(-37.75,4.1) 11(-37.5,-4.1) 12(-37.25,4.1) 13(-37,-4.1) 14(-36.75,4.1) 15(-36.5,-4.1) 16(-36.25,4.1) 17(-36,-4.1) 18(-35.75,4.1) 23(-34.5,-4.1) 24(-34.25,4.1) 25(-34,-4.1) 26(-33.75,4.1) 27(-33.5,-4.1) 28(-33.25,4.1) 29(-33,-4.1) 30(-32.75,4.1) 31(-32.5,-4.1) 32(-32.25,4.1) 33(-32,-4.1) 34(-31.75,4.1) 35(-31.5,-4.1) 36(-31.25,4.1) 37(-31,-4.1) 38(-30.75,4.1) 39(-30.5,-4.1) 40(-30.25,4.1) 41(-30,-4.1) 42(-29.75,4.1) 43(-29.5,-4.1) 44(-29.25,4.1) 45(-29,-4.1) 46(-28.75,4.1) 47(-28.5,-4.1) 48(-28.25,4.1) 49(-28,-4.1) 50(-27.75,4.1) 51(-27.5,-4.1) 52(-27.25,4.1) 53(-27,-4.1) 54(-26.75,4.1) 55(-26.5,-4.1) 56(-26.25,4.1) 57(-26,-4.1) 58(-25.75,4.1) 59(-25.5,-4.1) 60(-25.25,4.1) 61(-25,-4.1) 62(-24.75,4.1) 63(-24.5,-4.1) 64(-24.25,4.1) 65(-24,-4.1) 66(-23.75,4.1) 67(-23.5,-4.1) 68(-23.25,4.1) 69(-23,-4.1) 70(-22.75,4.1) 71(-22.5,-4.1) 72(-22.25,4.1) 73(-22,-4.1) 74(-21.75,4.1) 75(-21.5,-4.1) 76(-21.25,4.1) 77(-21,-4.1) 78(-20.75,4.1) 79(-20.5,-4.1) 80(-20.25,4.1) 81(-20,-4.1) 82(-19.75,4.1) 83(-19.5,-4.1) 84(-19.25,4.1) 85(-19,-4.1) 86(-18.75,4.1) 87(-18.5,-4.1) 88(-18.25,4.1) 89(-18,-4.1) 90(-17.75,4.1) 91(-17.5,-4.1) 92(-17.25,4.1) 93(-17,-4.1) 94(-16.75,4.1) 95(-16.5,-4.1) 96(-16.25,4.1) 97(-16,-4.1) 98(-15.75,4.1) 99(-15.5,-4.1) 100(-15.25,4.1) 101(-15,-4.1) 102(-14.75,4.1) 103(-14.5,-4.1) 104(-14.25,4.1) 105(-14,-4.1) 106(-13.75,4.1) 107(-13.5,-4.1) 108(-13.25,4.1) 109(-13,-4.1) 110(-12.75,4.1) 111(-12.5,-4.1) 112(-12.25,4.1) 113(-12,-4.1) 114(-11.75,4.1) 115(-11.5,-4.1) 116(-11.25,4.1) 117(-11,-4.1) 118(-10.75,4.1) 119(-10.5,-4.1) 120(-10.25,4.1) 121(-10,-4.1) 122(-9.75,4.1) 123(-9.5,-4.1) 124(-9.25,4.1) 125(-9,-4.1) 126(-8.75,4.1) 127(-8.5,-4.1) 128(-8.25,4.1) 129(-8,-4.1) 130(-7.75,4.1) 131(-7.5,-4.1) 132(-7.25,4.1) 133(-7,-4.1) 134(-6.75,4.1) 135(-6.5,-4.1) 136(-6.25,4.1) 137(-6,-4.1) 138(-5.75,4.1) 139(-5.5,-4.1) 140(-5.25,4.1) 141(-5,-4.1) 142(-4.75,4.1) 143(-4.5,-4.1) 144(-4.25,4.1) 145(-4,-4.1) 146(-3.75,4.1) 147(-3.5,-4.1) 148(-3.25,4.1) 149(-3,-4.1) 150(-2.75,4.1) 151(-2.5,-4.1) 152(-2.25,4.1) 153(-2,-4.1) 154(-1.75,4.1) 155(-1.5,-4.1) 156(-1.25,4.1) 157(-1,-4.1) 158(-0.75,4.1) 159(-0.5,-4.1) 160(-0.25,4.1) 161(0,-4.1) 162(0.25,4.1) 163(0.5,-4.1) 164(0.75,4.1) 165(1,-4.1) 173(3,-4.1) 174(3.25,4.1) 175(3.5,-4.1) 176(3.75,4.1) 177(4,-4.1) 178(4.25,4.1) 179(4.5,-4.1) 180(4.75,4.1) 181(5,-4.1) 182(5.25,4.1) 183(5.5,-4.1) 184(5.75,4.1) 185(6,-4.1) 186(6.25,4.1) 187(6.5,-4.1) 188(6.75,4.1) 189(7,-4.1) 190(7.25,4.1) 191(7.5,-4.1) 192(7.75,4.1) 193(8,-4.1) 194(8.25,4.1) 195(8.5,-4.1) 196(8.75,4.1) 197(9,-4.1) 198(9.25,4.1) 199(9.5,-4.1) 200(9.75,4.1) 201(10,-4.1) 202(10.25,4.1) 203(10.5,-4.1) 204(10.75,4.1) 205(11,-4.1) 206(11.25,4.1) 207(11.5,-4.1) 208(11.75,4.1) 209(12,-4.1) 210(12.25,4.1) 211(12.5,-4.1) 212(12.75,4.1) 213(13,-4.1) 214(13.25,4.1) 215(13.5,-4.1) 216(13.75,4.1) 217(14,-4.1) 218(14.25,4.1) 219(14.5,-4.1) 220(14.75,4.1) 221(15,-4.1) 222(15.25,4.1) 223(15.5,-4.1) 224(15.75,4.1) 225(16,-4.1) 226(16.25,4.1) 227(16.5,-4.1) 228(16.75,4.1) 229(17,-4.1) 230(17.25,4.1) 231(17.5,-4.1) 232(17.75,4.1) 233(18,-4.1) 234(18.25,4.1) 235(18.5,-4.1) 236(18.75,4.1) 237(19,-4.1) 238(19.25,4.1) 239(19.5,-4.1) 240(19.75,4.1) 241(20,-4.1) 242(20.25,4.1) 243(20.5,-4.1) 244(20.75,4.1) 245(21,-4.1) 246(21.25,4.1) 247(21.5,-4.1) 248(21.75,4.1) 249(22,-4.1) 250(22.25,4.1) 251(22.5,-4.1) 252(22.75,4.1) 253(23,-4.1) 254(23.25,4.1) 255(23.5,-4.1) 256(23.75,4.1) 257(24,-4.1) 258(24.25,4.1) 259(24.5,-4.1) 260(24.75,4.1) 261(25,-4.1) 262(25.25,4.1) 263(25.5,-4.1) 264(25.75,4.1) 265(26,-4.1) 266(26.25,4.1) 267(26.5,-4.1) 268(26.75,4.1) 269(27,-4.1) 270(27.25,4.1) 271(27.5,-4.1) 272(27.75,4.1) 273(28,-4.1) 274(28.25,4.1) 275(28.5,-4.1) 276(28.75,4.1) 277(29,-4.1) 278(29.25,4.1) 279(29.5,-4.1) 280(29.75,4.1) 281(30,-4.1) 282(30.25,4.1) 283(30.5,-4.1) 284(30.75,4.1) 285(31,-4.1) 286(31.25,4.1) 287(31.5,-4.1) 288(31.75,4.1) 289(32,-4.1) 290(32.25,4.1) 291(32.5,-4.1) 292(32.75,4.1) 293(33,-4.1) 294(33.25,4.1) 295(33.5,-4.1) 296(33.75,4.1) 297(34,-4.1) 298(34.25,4.1) 299(34.5,-4.1) 300(34.75,4.1) 301(35,-4.1) 302(35.25,4.1) 303(35.5,-4.1) 304(35.75,4.1) 305(36,-4.1) 306(36.25,4.1) 307(36.5,-4.1) 308(36.75,4.1) 309(37,-4.1) 310(37.25,4.1) 311(37.5,-4.1) 312(37.75,4.1) 313(38,-4.1) 314(38.25,4.1) 315(38.5,-4.1) 316(38.75,4.1) 317(39,-4.1) 318(39.25,4.1) 319(39.5,-4.1) 320(39.75,4.1) 321(40,-4.1)
  rrect25% 3.3x5 smd: BE1(-43.95,0) BE2(43.95,0)
  round 1.1 hole 1.1 unplated: ""(-41,1.1)
  round 7.4 / inner round 0 / far side round 0 hole 4.4 unplated: ""(-37.5,11.1) ""(-37.5,-39.9) ""(0,-23.9) ""(37.5,-39.9) ""(37.5,11.1)
  round 1.6 hole 1.6 unplated: ""(41,1.1)
  silkscreen extent -46.07,-7.65 46.07,5.17, body extent -44.95,-42.9 44.95,14.08, height 8.01
T_Keystone_3000 [mm] "Battery Holder, 12mm (Dia)"
  rect 3.2x3.9 smd: 1(-8.17,0) 1(8.17,0)
  rrect70% 12x12.3 smd paste-11: 2(0,-0.15)
  silkscreen extent -6.63,-6.88 6.63,6.3, body extent -9.47,-6.92 9.47,5.14, height 3.16
T_Laird_35F0121-0SR-10 [mm] "Power supply FB 10A"
  rect 2.77x1.47 smd: 1(-1.79,0) 2(1.79,0)
  silkscreen extent -2.73,-1.6 2.73,1.6, body extent -2.54,-1.53 2.54,1.53, height 3.05
T_LINEAR_LTC2954CTS8-2#PBF [mm]
  rect 0.4x1.22 smd: 1(-0.975,-1.31) 2(-0.325,-1.31) 3(0.325,-1.31) 4(0.975,-1.31) 5(0.975,1.31) 6(0.325,1.31) 7(-0.325,1.31) 8(-0.975,1.31)
  silkscreen extent -1.78,-1.43 1.56,0.48, body extent -1.45,-0.87 1.45,0.87, height 1
T_Littelfuse_0458 [mm] "Fast Fuse"
  rect 1.185x2.05 smd: 1(-1.232,0) 2(1.232,0)
  silkscreen extent -0.4,-0.82 0.4,0.82, body extent -1.59,-0.79 1.59,0.79, height 1.58
T_LITTLEFUSE_SMAJ30CA [mm] "Bidirectional ESD protection"
  rect 2.1x1.8 smd: 1(-2.2,0) 2(2.2,0)
  silkscreen extent -3.77,-1.35 2.55,1.35, body extent -2.25,-1.4 2.25,1.4, height 2.29
T_MC_CC4V-T1A [mm]
  rect 1.3x2.2 smd: 1(-2.1,0) 2(2.1,0)
  silkscreen extent -1.04,-1.02 1.04,1.02, body extent -2.5,-0.95 2.5,0.95, height 2.29
T_Molex_48099-5701 [mm] "Mini PCI-E Latch"
  rrect12% 4.8x3 smd: ""(-12.1,-3.15) ""(-12.1,3.15) ""(12.1,-3.15) ""(12.1,3.15)
  round 1.6 hole 1.6 unplated: ""(-12.1,0)
  round 1.1 hole 1.1 unplated: ""(12.1,0)
  silkscreen extent -14.85,-5 14.85,5, body extent -14.22,-4.31 14.23,4.6, height 6.56
T_MOLEX_52207-0633 [mm] "FFC Connector, 6 pin, 1mm Pitch, Top Contact"
  rrect50% 0.6x1.9 smd: 1(2.5,0) 2(1.5,0) 3(0.5,0) 4(-0.5,0) 5(-1.5,0) 6(-2.5,0)
  rrect50% 2.1x2.8 smd: ""(-5.65,2.35) ""(5.65,2.35)
  silkscreen extent -6.2,1.3 6.2,6.9, body extent -6.15,-0.7 6.15,6.9, height 2.7
T_Murata_DLW21SN900SQ2 [mm] "Common Mode Choke"
  rrect50% 0.75x0.42 smd: 1(-0.9,0.4) 2(-0.9,-0.4) 3(0.9,-0.4) 4(0.9,0.4)
  silkscreen extent -0.34,-0.55 0.34,0.55, body extent -1,-0.6 1,0.6, height 1.2